# KiCad board Panel2.kicad_pcb (continued)
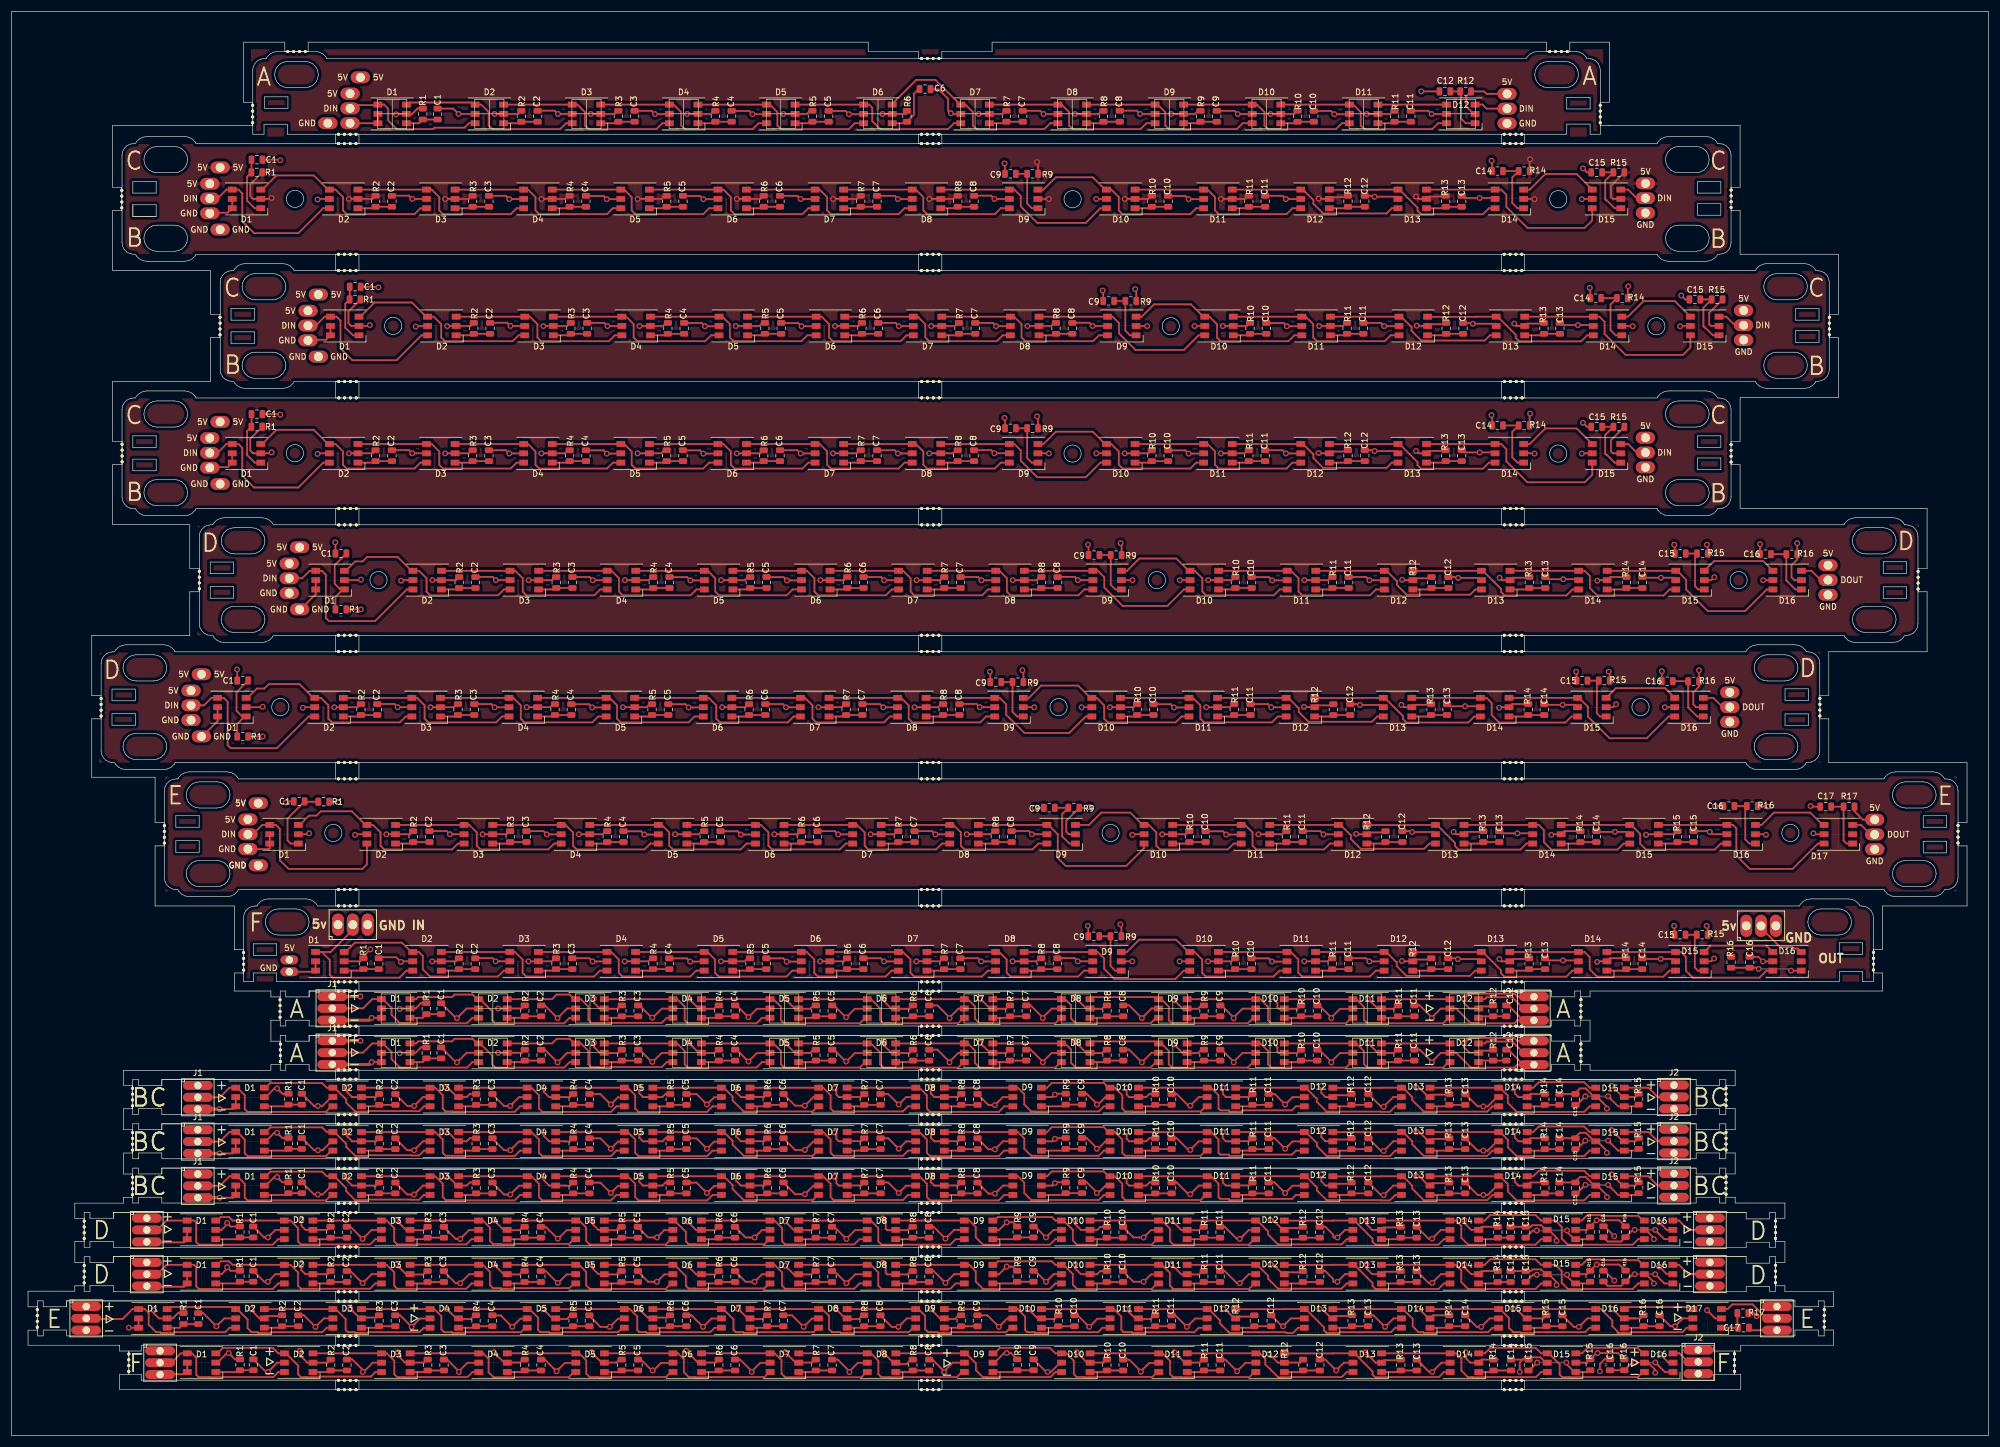
[diagram p0: board, top side]
## Placement (name value [footprint] x y rotation side) (continued)
D5#3  WS2813  [LED_WS2812_PLCC6_5.0x5.0mm_P1.6mm]  121.29 146.81 180 top
D5#4  WS2813  [LED_WS2812_PLCC6_5.0x5.0mm_P1.6mm]  121.25 81.37 180 top
D5#5  WS2813  [LED_WS2812_PLCC6_5.0x5.0mm_P1.6mm]  113.4 103.19 180 top
D5#6  WS2813  [LED_WS2812_PLCC6_5.0x5.0mm_P1.6mm]  131.95 226.84 180 top
D5#7  WS2813  [LED_WS2812_PLCC6_5.0x5.0mm_P1.6mm]  106.96 168.58 180 top
D5#8  WS2813  [LED_WS2812_PLCC6_5.0x5.0mm_P1.6mm]  123.81 190.44 180 top
D5#9  WS2813  [LED_WS2812_PLCC6_5.0x5.0mm_P1.6mm]  132.56 65.67 180 top
D5#10  WS2813  [LED_WS2812_PLCC6_5.0x5.0mm_P1.6mm]  132.56 73.27 180 top
D5#11  WS2813  [LED_WS2812_PLCC6_5.0x5.0mm_P1.6mm]  107.56 42.88 180 top
D5#12  WS2813  [LED_WS2812_PLCC6_5.0x5.0mm_P1.6mm]  107.56 50.48 180 top
D5#13  WS2813  [LED_WS2812_PLCC6_5.0x5.0mm_P1.6mm]  107.56 58.08 180 top
D5#14  WS2813  [LED_WS2812_PLCC6_5.0x5.0mm_P1.6mm]  99.23 27.67 180 top
D5#15  WS2813  [LED_WS2812_PLCC6_5.0x5.0mm_P1.6mm]  99.23 35.28 180 top
D5#16  WS2813  [LED_WS2812_PLCC6_5.0x5.0mm_P1.6mm]  90.89 20.07 180 top
D5#17  WS2813  [LED_WS2812_PLCC6_5.0x5.0mm_P1.6mm]  99.25 12.48 180 top
D6  WS2813  [LED_WS2812_PLCC6_5.0x5.0mm_P1.6mm]  123.62 212.25 180 top
D6#2  WS2813  [LED_WS2812_PLCC6_5.0x5.0mm_P1.6mm]  121.11 125 180 top
D6#3  WS2813  [LED_WS2812_PLCC6_5.0x5.0mm_P1.6mm]  137.96 146.81 180 top
D6#4  WS2813  [LED_WS2812_PLCC6_5.0x5.0mm_P1.6mm]  137.92 81.37 180 top
D6#5  WS2813  [LED_WS2812_PLCC6_5.0x5.0mm_P1.6mm]  130.06 103.19 180 top
D6#6  WS2813  [LED_WS2812_PLCC6_5.0x5.0mm_P1.6mm]  148.62 226.84 180 top
D6#7  WS2813  [LED_WS2812_PLCC6_5.0x5.0mm_P1.6mm]  123.62 168.58 180 top
D6#8  WS2813  [LED_WS2812_PLCC6_5.0x5.0mm_P1.6mm]  140.47 190.44 180 top
D6#9  WS2813  [LED_WS2812_PLCC6_5.0x5.0mm_P1.6mm]  149.22 65.67 180 top
D6#10  WS2813  [LED_WS2812_PLCC6_5.0x5.0mm_P1.6mm]  149.22 73.27 180 top
D6#11  WS2813  [LED_WS2812_PLCC6_5.0x5.0mm_P1.6mm]  124.22 42.88 180 top
D6#12  WS2813  [LED_WS2812_PLCC6_5.0x5.0mm_P1.6mm]  124.22 50.48 180 top
D6#13  WS2813  [LED_WS2812_PLCC6_5.0x5.0mm_P1.6mm]  124.22 58.08 180 top
D6#14  WS2813  [LED_WS2812_PLCC6_5.0x5.0mm_P1.6mm]  115.89 27.67 180 top
D6#15  WS2813  [LED_WS2812_PLCC6_5.0x5.0mm_P1.6mm]  115.89 35.28 180 top
D6#16  WS2813  [LED_WS2812_PLCC6_5.0x5.0mm_P1.6mm]  107.56 20.07 180 top
D6#17  WS2813  [LED_WS2812_PLCC6_5.0x5.0mm_P1.6mm]  115.91 12.48 180 top
D7  WS2813  [LED_WS2812_PLCC6_5.0x5.0mm_P1.6mm]  140.29 212.25 180 top
D7#2  WS2813  [LED_WS2812_PLCC6_5.0x5.0mm_P1.6mm]  137.77 125 180 top
D7#3  WS2813  [LED_WS2812_PLCC6_5.0x5.0mm_P1.6mm]  154.62 146.81 180 top
D7#4  WS2813  [LED_WS2812_PLCC6_5.0x5.0mm_P1.6mm]  154.59 81.37 180 top
D7#5  WS2813  [LED_WS2812_PLCC6_5.0x5.0mm_P1.6mm]  146.73 103.19 180 top
D7#6  WS2813  [LED_WS2812_PLCC6_5.0x5.0mm_P1.6mm]  165.29 226.84 180 top
D7#7  WS2813  [LED_WS2812_PLCC6_5.0x5.0mm_P1.6mm]  140.29 168.58 180 top
D7#8  WS2813  [LED_WS2812_PLCC6_5.0x5.0mm_P1.6mm]  157.14 190.44 180 top
D7#9  WS2813  [LED_WS2812_PLCC6_5.0x5.0mm_P1.6mm]  165.89 65.67 180 top
D7#10  WS2813  [LED_WS2812_PLCC6_5.0x5.0mm_P1.6mm]  165.89 73.27 180 top
D7#11  WS2813  [LED_WS2812_PLCC6_5.0x5.0mm_P1.6mm]  140.89 42.88 180 top
D7#12  WS2813  [LED_WS2812_PLCC6_5.0x5.0mm_P1.6mm]  140.89 50.48 180 top
D7#13  WS2813  [LED_WS2812_PLCC6_5.0x5.0mm_P1.6mm]  140.89 58.08 180 top
D7#14  WS2813  [LED_WS2812_PLCC6_5.0x5.0mm_P1.6mm]  132.56 27.67 180 top
D7#15  WS2813  [LED_WS2812_PLCC6_5.0x5.0mm_P1.6mm]  132.56 35.28 180 top
D7#16  WS2813  [LED_WS2812_PLCC6_5.0x5.0mm_P1.6mm]  124.22 20.07 180 top
D7#17  WS2813  [LED_WS2812_PLCC6_5.0x5.0mm_P1.6mm]  132.58 12.48 180 top
D8  WS2813  [LED_WS2812_PLCC6_5.0x5.0mm_P1.6mm]  156.96 212.25 180 top
D8#2  WS2813  [LED_WS2812_PLCC6_5.0x5.0mm_P1.6mm]  154.44 125 180 top
D8#3  WS2813  [LED_WS2812_PLCC6_5.0x5.0mm_P1.6mm]  171.29 146.81 180 top
D8#4  WS2813  [LED_WS2812_PLCC6_5.0x5.0mm_P1.6mm]  171.25 81.37 180 top
D8#5  WS2813  [LED_WS2812_PLCC6_5.0x5.0mm_P1.6mm]  163.39 103.19 180 top
D8#6  WS2813  [LED_WS2812_PLCC6_5.0x5.0mm_P1.6mm]  181.95 226.84 180 top
D8#7  WS2813  [LED_WS2812_PLCC6_5.0x5.0mm_P1.6mm]  156.96 168.58 180 top
D8#8  WS2813  [LED_WS2812_PLCC6_5.0x5.0mm_P1.6mm]  173.8 190.44 180 top
D8#9  WS2813  [LED_WS2812_PLCC6_5.0x5.0mm_P1.6mm]  182.55 65.67 180 top
D8#10  WS2813  [LED_WS2812_PLCC6_5.0x5.0mm_P1.6mm]  182.55 73.27 180 top
D8#11  WS2813  [LED_WS2812_PLCC6_5.0x5.0mm_P1.6mm]  157.56 42.88 180 top
D8#12  WS2813  [LED_WS2812_PLCC6_5.0x5.0mm_P1.6mm]  157.56 50.48 180 top
D8#13  WS2813  [LED_WS2812_PLCC6_5.0x5.0mm_P1.6mm]  157.56 58.08 180 top
D8#14  WS2813  [LED_WS2812_PLCC6_5.0x5.0mm_P1.6mm]  149.22 27.67 180 top
D8#15  WS2813  [LED_WS2812_PLCC6_5.0x5.0mm_P1.6mm]  149.22 35.28 180 top
D8#16  WS2813  [LED_WS2812_PLCC6_5.0x5.0mm_P1.6mm]  140.89 20.07 180 top
D8#17  WS2813  [LED_WS2812_PLCC6_5.0x5.0mm_P1.6mm]  149.24 12.48 180 top
D9  WS2813  [LED_WS2812_PLCC6_5.0x5.0mm_P1.6mm]  173.62 212.25 180 top
D9#2  WS2813  [LED_WS2812_PLCC6_5.0x5.0mm_P1.6mm]  171.11 125 180 top
D9#3  WS2813  [LED_WS2812_PLCC6_5.0x5.0mm_P1.6mm]  187.95 146.81 180 top
D9#4  WS2813  [LED_WS2812_PLCC6_5.0x5.0mm_P1.6mm]  187.92 81.37 180 top
D9#5  WS2813  [LED_WS2812_PLCC6_5.0x5.0mm_P1.6mm]  180.06 103.19 180 top
D9#6  WS2813  [LED_WS2812_PLCC6_5.0x5.0mm_P1.6mm]  198.62 226.84 180 top
D9#7  WS2813  [LED_WS2812_PLCC6_5.0x5.0mm_P1.6mm]  173.62 168.58 180 top
D9#8  WS2813  [LED_WS2812_PLCC6_5.0x5.0mm_P1.6mm]  190.47 190.44 180 top
D9#9  WS2813  [LED_WS2812_PLCC6_5.0x5.0mm_P1.6mm]  199.22 65.67 180 top
D9#10  WS2813  [LED_WS2812_PLCC6_5.0x5.0mm_P1.6mm]  199.22 73.27 180 top
D9#11  WS2813  [LED_WS2812_PLCC6_5.0x5.0mm_P1.6mm]  174.22 42.88 180 top
D9#12  WS2813  [LED_WS2812_PLCC6_5.0x5.0mm_P1.6mm]  174.22 50.48 180 top
D9#13  WS2813  [LED_WS2812_PLCC6_5.0x5.0mm_P1.6mm]  174.22 58.08 180 top
D9#14  WS2813  [LED_WS2812_PLCC6_5.0x5.0mm_P1.6mm]  165.89 27.67 180 top
D9#15  WS2813  [LED_WS2812_PLCC6_5.0x5.0mm_P1.6mm]  165.89 35.28 180 top
D9#16  WS2813  [LED_WS2812_PLCC6_5.0x5.0mm_P1.6mm]  157.56 20.07 180 top
D9#17  WS2813  [LED_WS2812_PLCC6_5.0x5.0mm_P1.6mm]  165.91 12.48 180 top
D10  WS2813  [LED_WS2812_PLCC6_5.0x5.0mm_P1.6mm]  190.29 212.25 180 top
D10#2  WS2813  [LED_WS2812_PLCC6_5.0x5.0mm_P1.6mm]  187.77 125 180 top
D10#3  WS2813  [LED_WS2812_PLCC6_5.0x5.0mm_P1.6mm]  204.62 146.81 180 top
D10#4  WS2813  [LED_WS2812_PLCC6_5.0x5.0mm_P1.6mm]  204.58 81.37 180 top
D10#5  WS2813  [LED_WS2812_PLCC6_5.0x5.0mm_P1.6mm]  196.73 103.19 180 top
D10#6  WS2813  [LED_WS2812_PLCC6_5.0x5.0mm_P1.6mm]  215.28 226.84 180 top
D10#7  WS2813  [LED_WS2812_PLCC6_5.0x5.0mm_P1.6mm]  190.29 168.58 180 top
D10#8  WS2813  [LED_WS2812_PLCC6_5.0x5.0mm_P1.6mm]  207.13 190.44 180 top
D10#9  WS2813  [LED_WS2812_PLCC6_5.0x5.0mm_P1.6mm]  215.88 65.67 180 top
D10#10  WS2813  [LED_WS2812_PLCC6_5.0x5.0mm_P1.6mm]  215.88 73.27 180 top
D10#11  WS2813  [LED_WS2812_PLCC6_5.0x5.0mm_P1.6mm]  190.89 42.88 180 top
D10#12  WS2813  [LED_WS2812_PLCC6_5.0x5.0mm_P1.6mm]  190.89 50.48 180 top
D10#13  WS2813  [LED_WS2812_PLCC6_5.0x5.0mm_P1.6mm]  190.89 58.08 180 top
D10#14  WS2813  [LED_WS2812_PLCC6_5.0x5.0mm_P1.6mm]  182.56 27.67 180 top
D10#15  WS2813  [LED_WS2812_PLCC6_5.0x5.0mm_P1.6mm]  182.56 35.28 180 top
D10#16  WS2813  [LED_WS2812_PLCC6_5.0x5.0mm_P1.6mm]  174.22 20.07 180 top
D10#17  WS2813  [LED_WS2812_PLCC6_5.0x5.0mm_P1.6mm]  182.58 12.48 180 top
D11  WS2813  [LED_WS2812_PLCC6_5.0x5.0mm_P1.6mm]  206.95 212.25 180 top
D11#2  WS2813  [LED_WS2812_PLCC6_5.0x5.0mm_P1.6mm]  204.44 125 180 top
D11#3  WS2813  [LED_WS2812_PLCC6_5.0x5.0mm_P1.6mm]  221.29 146.81 180 top
D11#4  WS2813  [LED_WS2812_PLCC6_5.0x5.0mm_P1.6mm]  221.25 81.37 180 top
D11#5  WS2813  [LED_WS2812_PLCC6_5.0x5.0mm_P1.6mm]  213.39 103.19 180 top
D11#6  WS2813  [LED_WS2812_PLCC6_5.0x5.0mm_P1.6mm]  231.95 226.84 180 top
D11#7  WS2813  [LED_WS2812_PLCC6_5.0x5.0mm_P1.6mm]  206.95 168.58 180 top
D11#8  WS2813  [LED_WS2812_PLCC6_5.0x5.0mm_P1.6mm]  223.8 190.44 180 top
D11#9  WS2813  [LED_WS2812_PLCC6_5.0x5.0mm_P1.6mm]  232.55 65.67 180 top
D11#10  WS2813  [LED_WS2812_PLCC6_5.0x5.0mm_P1.6mm]  232.55 73.27 180 top
D11#11  WS2813  [LED_WS2812_PLCC6_5.0x5.0mm_P1.6mm]  207.55 42.88 180 top
D11#12  WS2813  [LED_WS2812_PLCC6_5.0x5.0mm_P1.6mm]  207.55 50.48 180 top
D11#13  WS2813  [LED_WS2812_PLCC6_5.0x5.0mm_P1.6mm]  207.55 58.08 180 top
D11#14  WS2813  [LED_WS2812_PLCC6_5.0x5.0mm_P1.6mm]  199.22 27.67 180 top
D11#15  WS2813  [LED_WS2812_PLCC6_5.0x5.0mm_P1.6mm]  199.22 35.28 180 top
D11#16  WS2813  [LED_WS2812_PLCC6_5.0x5.0mm_P1.6mm]  190.89 20.07 180 top
D11#17  WS2813  [LED_WS2812_PLCC6_5.0x5.0mm_P1.6mm]  199.24 12.48 180 top
D12  WS2813  [LED_WS2812_PLCC6_5.0x5.0mm_P1.6mm]  223.62 212.25 180 top
D12#2  WS2813  [LED_WS2812_PLCC6_5.0x5.0mm_P1.6mm]  221.1 125 180 top
D12#3  WS2813  [LED_WS2812_PLCC6_5.0x5.0mm_P1.6mm]  237.95 146.81 180 top
D12#4  WS2813  [LED_WS2812_PLCC6_5.0x5.0mm_P1.6mm]  237.92 81.37 180 top
D12#5  WS2813  [LED_WS2812_PLCC6_5.0x5.0mm_P1.6mm]  230.06 103.19 180 top
D12#6  WS2813  [LED_WS2812_PLCC6_5.0x5.0mm_P1.6mm]  248.62 226.84 180 top
D12#7  WS2813  [LED_WS2812_PLCC6_5.0x5.0mm_P1.6mm]  223.62 168.58 180 top
D12#8  WS2813  [LED_WS2812_PLCC6_5.0x5.0mm_P1.6mm]  240.47 190.44 180 top
D12#9  WS2813  [LED_WS2812_PLCC6_5.0x5.0mm_P1.6mm]  249.22 65.67 180 top
D12#10  WS2813  [LED_WS2812_PLCC6_5.0x5.0mm_P1.6mm]  249.22 73.27 180 top
D12#11  WS2813  [LED_WS2812_PLCC6_5.0x5.0mm_P1.6mm]  224.22 42.88 180 top
D12#12  WS2813  [LED_WS2812_PLCC6_5.0x5.0mm_P1.6mm]  224.22 50.48 180 top
D12#13  WS2813  [LED_WS2812_PLCC6_5.0x5.0mm_P1.6mm]  224.22 58.08 180 top
D12#14  WS2813  [LED_WS2812_PLCC6_5.0x5.0mm_P1.6mm]  215.89 27.67 180 top
D12#15  WS2813  [LED_WS2812_PLCC6_5.0x5.0mm_P1.6mm]  215.89 35.28 180 top
D12#16  WS2813  [LED_WS2812_PLCC6_5.0x5.0mm_P1.6mm]  207.55 20.07 180 top
D12#17  WS2813  [LED_WS2812_PLCC6_5.0x5.0mm_P1.6mm]  215.91 12.48 180 top
D13  WS2813  [LED_WS2812_PLCC6_5.0x5.0mm_P1.6mm]  240.29 212.25 180 top
D13#2  WS2813  [LED_WS2812_PLCC6_5.0x5.0mm_P1.6mm]  237.77 125 180 top
D13#3  WS2813  [LED_WS2812_PLCC6_5.0x5.0mm_P1.6mm]  254.62 146.81 180 top
D13#4  WS2813  [LED_WS2812_PLCC6_5.0x5.0mm_P1.6mm]  254.58 81.37 180 top
D13#5  WS2813  [LED_WS2812_PLCC6_5.0x5.0mm_P1.6mm]  246.72 103.19 180 top
D13#6  WS2813  [LED_WS2812_PLCC6_5.0x5.0mm_P1.6mm]  240.29 168.58 180 top
D13#7  WS2813  [LED_WS2812_PLCC6_5.0x5.0mm_P1.6mm]  257.13 190.44 180 top
D13#8  WS2813  [LED_WS2812_PLCC6_5.0x5.0mm_P1.6mm]  240.89 42.88 180 top
D13#9  WS2813  [LED_WS2812_PLCC6_5.0x5.0mm_P1.6mm]  240.89 50.48 180 top
D13#10  WS2813  [LED_WS2812_PLCC6_5.0x5.0mm_P1.6mm]  240.89 58.08 180 top
D13#11  WS2813  [LED_WS2812_PLCC6_5.0x5.0mm_P1.6mm]  232.55 27.67 180 top
D13#12  WS2813  [LED_WS2812_PLCC6_5.0x5.0mm_P1.6mm]  232.55 35.28 180 top
D13#13  WS2813  [LED_WS2812_PLCC6_5.0x5.0mm_P1.6mm]  224.22 20.07 180 top
D13#14  WS2813  [LED_WS2812_PLCC6_5.0x5.0mm_P1.6mm]  232.57 12.48 180 top
D14  WS2813  [LED_WS2812_PLCC6_5.0x5.0mm_P1.6mm]  256.95 212.25 180 top
D14#2  WS2813  [LED_WS2812_PLCC6_5.0x5.0mm_P1.6mm]  254.44 125 180 top
D14#3  WS2813  [LED_WS2812_PLCC6_5.0x5.0mm_P1.6mm]  271.28 146.81 180 top
D14#4  WS2813  [LED_WS2812_PLCC6_5.0x5.0mm_P1.6mm]  271.25 81.37 180 top
D14#5  WS2813  [LED_WS2812_PLCC6_5.0x5.0mm_P1.6mm]  263.39 103.19 180 top
D14#6  WS2813  [LED_WS2812_PLCC6_5.0x5.0mm_P1.6mm]  256.95 168.58 180 top
D14#7  WS2813  [LED_WS2812_PLCC6_5.0x5.0mm_P1.6mm]  273.8 190.44 180 top
D14#8  WS2813  [LED_WS2812_PLCC6_5.0x5.0mm_P1.6mm]  257.55 42.88 180 top
D14#9  WS2813  [LED_WS2812_PLCC6_5.0x5.0mm_P1.6mm]  257.55 50.48 180 top
D14#10  WS2813  [LED_WS2812_PLCC6_5.0x5.0mm_P1.6mm]  257.55 58.08 180 top
D14#11  WS2813  [LED_WS2812_PLCC6_5.0x5.0mm_P1.6mm]  249.22 27.67 180 top
D14#12  WS2813  [LED_WS2812_PLCC6_5.0x5.0mm_P1.6mm]  249.22 35.28 180 top
D14#13  WS2813  [LED_WS2812_PLCC6_5.0x5.0mm_P1.6mm]  240.89 20.07 180 top
D14#14  WS2813  [LED_WS2812_PLCC6_5.0x5.0mm_P1.6mm]  249.24 12.48 180 top
D15  WS2813  [LED_WS2812_PLCC6_5.0x5.0mm_P1.6mm]  273.62 212.25 180 top
D15#2  WS2813  [LED_WS2812_PLCC6_5.0x5.0mm_P1.6mm]  271.1 125 180 top
D15#3  WS2813  [LED_WS2812_PLCC6_5.0x5.0mm_P1.6mm]  287.95 146.81 180 top
D15#4  WS2813  [LED_WS2812_PLCC6_5.0x5.0mm_P1.6mm]  287.92 81.37 180 top
D15#5  WS2813  [LED_WS2812_PLCC6_5.0x5.0mm_P1.6mm]  280.06 103.19 180 top
D15#6  WS2813  [LED_WS2812_PLCC6_5.0x5.0mm_P1.6mm]  273.62 168.58 180 top
D15#7  WS2813  [LED_WS2812_PLCC6_5.0x5.0mm_P1.6mm]  290.47 190.44 180 top
D15#8  WS2813  [LED_WS2812_PLCC6_5.0x5.0mm_P1.6mm]  274.22 42.88 180 top
D15#9  WS2813  [LED_WS2812_PLCC6_5.0x5.0mm_P1.6mm]  274.22 50.48 180 top
D15#10  WS2813  [LED_WS2812_PLCC6_5.0x5.0mm_P1.6mm]  274.22 58.08 180 top
D15#11  WS2813  [LED_WS2812_PLCC6_5.0x5.0mm_P1.6mm]  265.89 27.67 180 top
D15#12  WS2813  [LED_WS2812_PLCC6_5.0x5.0mm_P1.6mm]  265.89 35.28 180 top
D15#13  WS2813  [LED_WS2812_PLCC6_5.0x5.0mm_P1.6mm]  257.55 20.07 180 top
D15#14  WS2813  [LED_WS2812_PLCC6_5.0x5.0mm_P1.6mm]  265.91 12.48 180 top
D16  WS2813  [LED_WS2812_PLCC6_5.0x5.0mm_P1.6mm]  287.77 125 180 top
D16#2  WS2813  [LED_WS2812_PLCC6_5.0x5.0mm_P1.6mm]  304.62 146.81 180 top
D16#3  WS2813  [LED_WS2812_PLCC6_5.0x5.0mm_P1.6mm]  304.58 81.37 180 top
D16#4  WS2813  [LED_WS2812_PLCC6_5.0x5.0mm_P1.6mm]  296.72 103.19 180 top
D16#5  WS2813  [LED_WS2812_PLCC6_5.0x5.0mm_P1.6mm]  282.55 27.67 180 top
D16#6  WS2813  [LED_WS2812_PLCC6_5.0x5.0mm_P1.6mm]  282.55 35.28 180 top
D16#7  WS2813  [LED_WS2812_PLCC6_5.0x5.0mm_P1.6mm]  274.22 20.07 180 top
D16#8  WS2813  [LED_WS2812_PLCC6_5.0x5.0mm_P1.6mm]  282.57 12.48 180 top
D17  WS2813  [LED_WS2812_PLCC6_5.0x5.0mm_P1.6mm]  313.39 103.19 180 top
D17#2  WS2813  [LED_WS2812_PLCC6_5.0x5.0mm_P1.6mm]  290.89 20.07 180 top
J1  IN  [1x3_18awgWireSolderPad-InsideStrut]  30.77 125.31 0 top
J1#2  IN  [1x3_18awgWireSolderPad-InsideStrut]  47.62 147.12 0 top
J1#3  IN  [1x3_18awgWireSolderPad]  55.99 87.66 90 top
J1#4  IN  [1x3_18awgWireSolderPad-InsideStrut]  40.53 103.18 0 top
J1#5  A_IN  [1x3_18awgWireSolderPad-InsideStrut-IN-Edge]  58.05 227.79 0 top
J1#6  IN  [1x3_18awgWireSolderPad-InsideStrut]  33.99 168.65 0 top
J1#7  IN  [1x3_18awgWireSolderPad-InsideStrut]  50.84 190.51 0 top
J1#8  A_IN  [1x3_18awgWireSolderPad-5mm]  55.01 67.73 0 top
J1#9  A_IN  [1x3_18awgWireSolderPad-5mm]  55.01 75.33 0 top
J1#10  IN  [1x3_18awgWireSolderPad-5mm]  31.94 44.86 0 top
J1#11  IN  [1x3_18awgWireSolderPad-5mm]  31.94 52.46 0 top
J1#12  IN  [1x3_18awgWireSolderPad-5mm]  31.94 60.06 0 top
J1#13  IN  [1x3_18awgWireSolderPad-5mm]  23.18 29.69 0 top
J1#14  IN  [1x3_18awgWireSolderPad-5mm]  23.18 37.29 0 top
J1#15  IN  [1x3_18awgWireSolderPad-5mm]  12.79 22.11 0 top
J1#16  IN  [1x3_18awgWireSolderPad-5mm]  25.47 14.5 0 top
J1#17  IN  [1x3_18awgWireSolderPad-InsideStrut]  33.99 212.32 0 top
J2  OUT  [1x3_18awgWireSolderPad-InsideStrut-OUT]  294.77 125.01 0 top
J2#2  OUT  [1x3_18awgWireSolderPad-InsideStrut-OUT]  311.62 146.82 0 top
J2#3  OUT  [1x3_18awgWireSolderPad]  297.59 87.46 90 top
J2#4  OUT  [1x3_18awgWireSolderPad-InsideStrut-OUT]  319.63 103.15 0 top
J2#5  A_OUT  [1x3_18awgWireSolderPad-InsideStrut-OUT-Edge]  256.55 227.75 0 top
J2#6  OUT  [1x3_18awgWireSolderPad-InsideStrut-OUT]  280.29 168.71 0 top
J2#7  OUT  [1x3_18awgWireSolderPad-InsideStrut-OUT]  297.14 190.57 0 top
J2#8  A_OUT  [1x3_18awgWireSolderPad-5mm]  261.16 67.71 0 top
J2#9  A_OUT  [1x3_18awgWireSolderPad-5mm]  261.16 75.31 0 top
J2#10  OUT  [1x3_18awgWireSolderPad-5mm]  285.19 44.93 0 top
J2#11  OUT  [1x3_18awgWireSolderPad-5mm]  285.19 52.53 0 top
J2#12  OUT  [1x3_18awgWireSolderPad-5mm]  285.19 60.13 0 top
J2#13  OUT  [1x3_18awgWireSolderPad-5mm]  291.36 29.7 0 top
J2#14  OUT  [1x3_18awgWireSolderPad-5mm]  291.36 37.3 0 top
J2#15  OUT  [1x3_18awgWireSolderPad-5mm]  302.86 22.11 0 top
J2#16  OUT  [1x3_18awgWireSolderPad-5mm]  289.37 14.65 0 top
J2#17  OUT  [1x3_18awgWireSolderPad-InsideStrut-OUT]  280.29 212.38 0 top
J3  Conn_01x02_Female  [1x3_18awgWireSolderPad-InsideStrut-PWR]  47.64 79.07 0 top
R1  330  [R_0805_2012Metric]  42.07 216.8 180 top
R1#2  330  [R_0805_2012Metric]  39.64 119.97 180 top
R1#3  330  [R_0805_2012Metric]  56.48 141.78 180 top
R1#4  330  [R_0805_2012Metric]  60.34 80.96 270 top
R1#5  330  [R_0805_2012Metric]  53.53 108.76 180 top
R1#6  330  [R_0805_2012Metric]  70.54 226.81 270 top
R1#7  330  [R_0805_2012Metric]  42.07 173.14 180 top
R1#8  330  [R_0805_2012Metric]  58.91 194.99 180 top
R1#9  330  [R_0805_2012Metric]  71.14 65.65 270 top
R1#10  330  [R_0805_2012Metric]  71.14 73.25 270 top
R1#11  330  [R_0805_2012Metric]  47.49 42.51 270 top
R1#12  330  [R_0805_2012Metric]  47.49 50.11 270 top
R1#13  330  [R_0805_2012Metric]  47.49 57.71 270 top
R1#14  330  [R_0805_2012Metric]  39.16 27.31 270 top
R1#15  330  [R_0805_2012Metric]  39.16 34.91 270 top
R1#16  330  [R_0805_2012Metric]  29.48 20.05 270 top
R1#17  330  [R_0805_2012Metric]  39.18 12.11 270 top
R2  330  [R_0805_2012Metric]  62.44 211.84 270 top
R2#2  330  [R_0805_2012Metric]  59.93 124.59 270 top
R2#3  330  [R_0805_2012Metric]  76.77 146.41 270 top
R2#4  330  [R_0805_2012Metric]  76.74 80.97 270 top
R2#5  330  [R_0805_2012Metric]  68.88 102.78 270 top
R2#6  330  [R_0805_2012Metric]  87.44 226.43 270 top
R2#7  330  [R_0805_2012Metric]  62.44 168.17 270 top
R2#8  330  [R_0805_2012Metric]  79.29 190.03 270 top
R2#9  330  [R_0805_2012Metric]  88.04 65.27 270 top
R2#10  330  [R_0805_2012Metric]  88.04 72.87 270 top
R2#11  330  [R_0805_2012Metric]  63.04 42.47 270 top
R2#12  330  [R_0805_2012Metric]  63.04 50.07 270 top
R2#13  330  [R_0805_2012Metric]  63.04 57.67 270 top
R2#14  330  [R_0805_2012Metric]  54.71 27.27 270 top
R2#15  330  [R_0805_2012Metric]  54.71 34.87 270 top
R2#16  330  [R_0805_2012Metric]  46.38 19.67 270 top
R2#17  330  [R_0805_2012Metric]  54.73 12.07 270 top
R3  330  [R_0805_2012Metric]  79.09 211.84 270 top
R3#2  330  [R_0805_2012Metric]  76.57 124.59 270 top
R3#3  330  [R_0805_2012Metric]  93.42 146.41 270 top
R3#4  330  [R_0805_2012Metric]  93.39 80.97 270 top
R3#5  330  [R_0805_2012Metric]  85.53 102.78 270 top
R3#6  330  [R_0805_2012Metric]  104.08 226.43 270 top
R3#7  330  [R_0805_2012Metric]  79.09 168.17 270 top
R3#8  330  [R_0805_2012Metric]  95.94 190.03 270 top
R3#9  330  [R_0805_2012Metric]  104.69 65.27 270 top
R3#10  330  [R_0805_2012Metric]  104.69 72.87 270 top
R3#11  330  [R_0805_2012Metric]  79.69 42.47 270 top
R3#12  330  [R_0805_2012Metric]  79.69 50.07 270 top
R3#13  330  [R_0805_2012Metric]  79.69 57.67 270 top
R3#14  330  [R_0805_2012Metric]  71.36 27.27 270 top
R3#15  330  [R_0805_2012Metric]  71.36 34.87 270 top
R3#16  330  [R_0805_2012Metric]  63.02 19.67 270 top
R3#17  330  [R_0805_2012Metric]  71.38 12.07 270 top
R4  330  [R_0805_2012Metric]  95.74 211.84 270 top
R4#2  330  [R_0805_2012Metric]  93.22 124.59 270 top
R4#3  330  [R_0805_2012Metric]  110.07 146.41 270 top
R4#4  330  [R_0805_2012Metric]  110.03 80.97 270 top
R4#5  330  [R_0805_2012Metric]  102.17 102.78 270 top
R4#6  330  [R_0805_2012Metric]  120.73 226.43 270 top
R4#7  330  [R_0805_2012Metric]  95.74 168.17 270 top
R4#8  330  [R_0805_2012Metric]  112.58 190.03 270 top
R4#9  330  [R_0805_2012Metric]  121.33 65.27 270 top
R4#10  330  [R_0805_2012Metric]  121.33 72.87 270 top
R4#11  330  [R_0805_2012Metric]  96.34 42.47 270 top
R4#12  330  [R_0805_2012Metric]  96.34 50.07 270 top
R4#13  330  [R_0805_2012Metric]  96.34 57.67 270 top
R4#14  330  [R_0805_2012Metric]  88 27.27 270 top
R4#15  330  [R_0805_2012Metric]  88 34.87 270 top
R4#16  330  [R_0805_2012Metric]  79.67 19.67 270 top
R4#17  330  [R_0805_2012Metric]  88.02 12.07 270 top
R5  330  [R_0805_2012Metric]  112.38 211.84 270 top
R5#2  330  [R_0805_2012Metric]  109.87 124.59 270 top
R5#3  330  [R_0805_2012Metric]  126.71 146.41 270 top
R5#4  330  [R_0805_2012Metric]  126.68 80.97 270 top
R5#5  330  [R_0805_2012Metric]  118.82 102.78 270 top
R5#6  330  [R_0805_2012Metric]  137.38 226.43 270 top
R5#7  330  [R_0805_2012Metric]  112.38 168.17 270 top
R5#8  330  [R_0805_2012Metric]  129.23 190.03 270 top
R5#9  330  [R_0805_2012Metric]  137.98 65.27 270 top
R5#10  330  [R_0805_2012Metric]  137.98 72.87 270 top
R5#11  330  [R_0805_2012Metric]  112.98 42.47 270 top
R5#12  330  [R_0805_2012Metric]  112.98 50.07 270 top
R5#13  330  [R_0805_2012Metric]  112.98 57.67 270 top
R5#14  330  [R_0805_2012Metric]  104.65 27.27 270 top
R5#15  330  [R_0805_2012Metric]  104.65 34.87 270 top
R5#16  330  [R_0805_2012Metric]  96.32 19.67 270 top
R5#17  330  [R_0805_2012Metric]  104.67 12.07 270 top
R6  330  [R_0805_2012Metric]  129.03 211.84 270 top
R6#2  330  [R_0805_2012Metric]  126.51 124.59 270 top
R6#3  330  [R_0805_2012Metric]  143.36 146.41 270 top
R6#4  330  [R_0805_2012Metric]  143.32 80.97 270 top
R6#5  330  [R_0805_2012Metric]  135.47 102.78 270 top
R6#6  330  [R_0805_2012Metric]  153.6 226.43 270 top
R6#7  330  [R_0805_2012Metric]  129.03 168.17 270 top
R6#8  330  [R_0805_2012Metric]  145.87 190.03 270 top
R6#9  330  [R_0805_2012Metric]  154.62 65.27 270 top
R6#10  330  [R_0805_2012Metric]  154.62 72.87 270 top
R6#11  330  [R_0805_2012Metric]  129.63 42.47 270 top
R6#12  330  [R_0805_2012Metric]  129.63 50.07 270 top
R6#13  330  [R_0805_2012Metric]  129.63 57.67 270 top
R6#14  330  [R_0805_2012Metric]  121.3 27.27 270 top
R6#15  330  [R_0805_2012Metric]  121.3 34.87 270 top
R6#16  330  [R_0805_2012Metric]  112.96 19.67 270 top
R6#17  330  [R_0805_2012Metric]  121.32 12.07 270 top
R7  330  [R_0805_2012Metric]  145.67 211.84 270 top
R7#2  330  [R_0805_2012Metric]  143.16 124.59 270 top
R7#3  330  [R_0805_2012Metric]  160.01 146.41 270 top
R7#4  330  [R_0805_2012Metric]  159.97 80.97 270 top
R7#5  330  [R_0805_2012Metric]  152.11 102.78 270 top
R7#6  330  [R_0805_2012Metric]  170.67 226.43 270 top
R7#7  330  [R_0805_2012Metric]  145.67 168.17 270 top
R7#8  330  [R_0805_2012Metric]  162.52 190.03 270 top
R7#9  330  [R_0805_2012Metric]  171.27 65.27 270 top
R7#10  330  [R_0805_2012Metric]  171.27 72.87 270 top
R7#11  330  [R_0805_2012Metric]  146.27 42.47 270 top
R7#12  330  [R_0805_2012Metric]  146.27 50.07 270 top
R7#13  330  [R_0805_2012Metric]  146.27 57.67 270 top
R7#14  330  [R_0805_2012Metric]  137.94 27.27 270 top
R7#15  330  [R_0805_2012Metric]  137.94 34.87 270 top
R7#16  330  [R_0805_2012Metric]  129.61 19.67 270 top
R7#17  330  [R_0805_2012Metric]  137.96 12.07 270 top
R8  330  [R_0805_2012Metric]  162.32 211.84 270 top
R8#2  330  [R_0805_2012Metric]  159.8 124.59 270 top
R8#3  330  [R_0805_2012Metric]  176.65 146.41 270 top
R8#4  330  [R_0805_2012Metric]  176.62 80.97 270 top
R8#5  330  [R_0805_2012Metric]  168.76 102.78 270 top
R8#6  330  [R_0805_2012Metric]  187.32 226.43 270 top
R8#7  330  [R_0805_2012Metric]  162.32 168.17 270 top
R8#8  330  [R_0805_2012Metric]  179.17 190.03 270 top
R8#9  330  [R_0805_2012Metric]  187.92 65.27 270 top
R8#10  330  [R_0805_2012Metric]  187.92 72.87 270 top
R8#11  330  [R_0805_2012Metric]  162.92 42.47 270 top
R8#12  330  [R_0805_2012Metric]  162.92 50.07 270 top
R8#13  330  [R_0805_2012Metric]  162.92 57.67 270 top
R8#14  330  [R_0805_2012Metric]  154.59 27.27 270 top
R8#15  330  [R_0805_2012Metric]  154.59 34.87 270 top
R8#16  330  [R_0805_2012Metric]  146.25 19.67 270 top
R8#17  330  [R_0805_2012Metric]  154.61 12.07 270 top
R9  330  [R_0805_2012Metric]  175.16 216.55 180 top
R9#2  330  [R_0805_2012Metric]  172.65 129.3 180 top
R9#3  330  [R_0805_2012Metric]  189.49 151.11 180 top
R9#4  330  [R_0805_2012Metric]  189.46 85.68 180 top
R9#5  330  [R_0805_2012Metric]  182.23 107.72 180 top
R9#6  330  [R_0805_2012Metric]  203.96 226.43 270 top
R9#7  330  [R_0805_2012Metric]  175.16 172.88 180 top
R9#8  330  [R_0805_2012Metric]  192.01 194.74 180 top
R9#9  330  [R_0805_2012Metric]  204.56 65.27 270 top
R9#10  330  [R_0805_2012Metric]  204.56 72.87 270 top
R9#11  330  [R_0805_2012Metric]  180.84 42.51 270 top
R9#12  330  [R_0805_2012Metric]  180.84 50.11 270 top
R9#13  330  [R_0805_2012Metric]  180.84 57.71 270 top
R9#14  330  [R_0805_2012Metric]  172.51 27.31 270 top
R9#15  330  [R_0805_2012Metric]  172.51 34.91 270 top
R9#16  330  [R_0805_2012Metric]  162.9 19.67 270 top
R9#17  330  [R_0805_2012Metric]  172.53 12.11 270 top
R10  330  [R_0805_2012Metric]  195.61 211.84 270 top
R10#2  330  [R_0805_2012Metric]  193.1 124.59 270 top
R10#3  330  [R_0805_2012Metric]  209.94 146.41 270 top
R10#4  330  [R_0805_2012Metric]  209.91 80.97 270 top
R10#5  330  [R_0805_2012Metric]  202.05 102.78 270 top
R10#6  330  [R_0805_2012Metric]  220.61 226.43 270 top
R10#7  330  [R_0805_2012Metric]  195.61 168.17 270 top
R10#8  330  [R_0805_2012Metric]  212.46 190.03 270 top
R10#9  330  [R_0805_2012Metric]  221.21 65.27 270 top
R10#10  330  [R_0805_2012Metric]  221.21 72.87 270 top
R10#11  330  [R_0805_2012Metric]  196.21 42.47 270 top
R10#12  330  [R_0805_2012Metric]  196.21 50.07 270 top
R10#13  330  [R_0805_2012Metric]  196.21 57.67 270 top
R10#14  330  [R_0805_2012Metric]  187.88 27.27 270 top
R10#15  330  [R_0805_2012Metric]  187.88 34.87 270 top
R10#16  330  [R_0805_2012Metric]  179.55 19.67 270 top
R10#17  330  [R_0805_2012Metric]  187.9 12.07 270 top
R11  330  [R_0805_2012Metric]  212.26 211.84 270 top
R11#2  330  [R_0805_2012Metric]  209.74 124.59 270 top
R11#3  330  [R_0805_2012Metric]  226.59 146.41 270 top
R11#4  330  [R_0805_2012Metric]  226.56 80.97 270 top
R11#5  330  [R_0805_2012Metric]  218.7 102.78 270 top
R11#6  330  [R_0805_2012Metric]  237.25 226.43 270 top
R11#7  330  [R_0805_2012Metric]  212.26 168.17 270 top
R11#8  330  [R_0805_2012Metric]  229.11 190.03 270 top
R11#9  330  [R_0805_2012Metric]  237.86 65.27 270 top
R11#10  330  [R_0805_2012Metric]  237.86 72.87 270 top
R11#11  330  [R_0805_2012Metric]  212.86 42.47 270 top
R11#12  330  [R_0805_2012Metric]  212.86 50.07 270 top
R11#13  330  [R_0805_2012Metric]  212.86 57.67 270 top
R11#14  330  [R_0805_2012Metric]  204.53 27.27 270 top
R11#15  330  [R_0805_2012Metric]  204.53 34.87 270 top
R11#16  330  [R_0805_2012Metric]  196.19 19.67 270 top
R11#17  330  [R_0805_2012Metric]  204.55 12.07 270 top
R12  330  [R_0805_2012Metric]  229.26 211.84 270 top
R12#2  330  [R_0805_2012Metric]  226.75 124.59 270 top
R12#3  330  [R_0805_2012Metric]  243.59 146.41 270 top
R12#4  330  [R_0805_2012Metric]  243.56 80.97 270 top
R12#5  330  [R_0805_2012Metric]  235.7 102.78 270 top
R12#6  330  [R_0805_2012Metric]  249.45 230.7 180 top
R12#7  330  [R_0805_2012Metric]  229.26 168.17 270 top
R12#8  330  [R_0805_2012Metric]  246.11 190.03 270 top
R12#9  330  [R_0805_2012Metric]  254.15 65.27 270 top
R12#10  330  [R_0805_2012Metric]  254.15 72.87 270 top
R12#11  330  [R_0805_2012Metric]  229.86 42.47 270 top
R12#12  330  [R_0805_2012Metric]  229.86 50.07 270 top
R12#13  330  [R_0805_2012Metric]  229.86 57.67 270 top
R12#14  330  [R_0805_2012Metric]  221.53 27.27 270 top
R12#15  330  [R_0805_2012Metric]  221.53 34.87 270 top
R12#16  330  [R_0805_2012Metric]  213.2 19.67 270 top
R12#17  330  [R_0805_2012Metric]  221.55 12.07 270 top
R13  330  [R_0805_2012Metric]  246.03 211.84 270 top
R13#2  330  [R_0805_2012Metric]  243.52 124.59 270 top
R13#3  330  [R_0805_2012Metric]  260.37 146.41 270 top
R13#4  330  [R_0805_2012Metric]  260.33 80.97 270 top
R13#5  330  [R_0805_2012Metric]  252.47 102.78 270 top
R13#6  330  [R_0805_2012Metric]  246.03 168.17 270 top
R13#7  330  [R_0805_2012Metric]  262.88 190.03 270 top
R13#8  330  [R_0805_2012Metric]  246.63 42.47 270 top
R13#9  330  [R_0805_2012Metric]  246.63 50.07 270 top
R13#10  330  [R_0805_2012Metric]  246.63 57.67 270 top
R13#11  330  [R_0805_2012Metric]  238.3 27.27 270 top
R13#12  330  [R_0805_2012Metric]  238.3 34.87 270 top
R13#13  330  [R_0805_2012Metric]  229.97 19.67 270 top
R13#14  330  [R_0805_2012Metric]  238.32 12.07 270 top
R14  330  [R_0805_2012Metric]  259.49 217.03 180 top
R14#2  330  [R_0805_2012Metric]  260.19 124.59 270 top
R14#3  330  [R_0805_2012Metric]  277.03 146.41 270 top
R14#4  330  [R_0805_2012Metric]  277 80.97 270 top
R14#5  330  [R_0805_2012Metric]  269.14 102.78 270 top
R14#6  330  [R_0805_2012Metric]  259.49 173.36 180 top
R14#7  330  [R_0805_2012Metric]  276.33 195.22 180 top
R14#8  330  [R_0805_2012Metric]  263.04 42.47 270 top
R14#9  330  [R_0805_2012Metric]  263.04 50.07 270 top
R14#10  330  [R_0805_2012Metric]  263.04 57.67 270 top
R14#11  330  [R_0805_2012Metric]  254.97 27.27 270 top
R14#12  330  [R_0805_2012Metric]  254.97 34.87 270 top
R14#13  330  [R_0805_2012Metric]  246.64 19.67 270 top
R14#14  330  [R_0805_2012Metric]  254.23 12.07 270 top
R15  330  [R_0805_2012Metric]  275.75 216.8 180 top
R15#2  330  [R_0805_2012Metric]  273.23 129.56 180 top
R15#3  330  [R_0805_2012Metric]  290.08 151.37 180 top
R15#4  330  [R_0805_2012Metric]  290.04 85.93 180 top
R15#5  330  [R_0805_2012Metric]  285.81 102.78 270 top
R15#6  330  [R_0805_2012Metric]  275.75 173.14 180 top
R15#7  330  [R_0805_2012Metric]  292.59 194.99 180 top
R15#8  330  [R_0805_2012Metric]  279.14 42.51 270 top
R15#9  330  [R_0805_2012Metric]  279.14 50.11 270 top
R15#10  330  [R_0805_2012Metric]  279.14 57.71 270 top
R15#11  330  [R_0805_2012Metric]  270.81 27.31 270 top
R15#12  330  [R_0805_2012Metric]  270.81 34.91 270 top
R15#13  330  [R_0805_2012Metric]  263.3 19.67 270 top
R15#14  330  [R_0805_2012Metric]  270.83 12.11 270 top
R16  330  [R_0805_2012Metric]  288.56 129.44 180 top
R16#2  330  [R_0805_2012Metric]  305.41 151.25 180 top
R16#3  330  [R_0805_2012Metric]  294.99 81.21 270 top
R16#4  330  [R_0805_2012Metric]  298.63 108.02 180 top
R16#5  330  [R_0805_2012Metric]  276.88 27.34 270 top
R16#6  330  [R_0805_2012Metric]  276.88 34.95 270 top
R16#7  330  [R_0805_2012Metric]  279.97 19.67 270 top
R16#8  330  [R_0805_2012Metric]  276.67 12.11 270 top
R17  330  [R_0805_2012Metric]  315.23 107.92 180 top
R17#2  330  [R_0805_2012Metric]  297.01 20.97 180 top
REF**  -  [MousebiteTabSingle4mm]  48.88 237.54 0 top
REF**#2  -  [MousebiteTabSingle4mm]  57.58 221.74 0 top
REF**#3  -  [MousebiteTabSingle4mm]  157.58 221.74 0 top
REF**#4  -  [MousebiteTabSingle4mm]  257.58 221.74 0 top
REF**#5  -  [MousebiteTabSingle4mm]  265.38 237.54 0 top
REF**#6  -  [MousebiteTabSingle4mm]  57.58 223.34 0 top
REF**#7  -  [MousebiteTabSingle4mm]  157.58 223.34 0 top
REF**#8  -  [MousebiteTabSingle4mm]  257.58 223.34 0 top
REF**#9  -  [MousebiteTabSingle4mm]  57.58 68.64 0 top
REF**#10  -  [MousebiteTabSingle4mm]  57.58 7.84 0 top
REF**#11  -  [MousebiteTabSingle4mm]  57.58 15.44 0 top
REF**#12  -  [MousebiteTabSingle4mm]  57.58 23.04 0 top
REF**#13  -  [MousebiteTabSingle4mm]  57.58 30.74 0 top
REF**#14  -  [MousebiteTabSingle4mm]  57.58 38.24 0 top
REF**#15  -  [MousebiteTabSingle4mm]  57.58 45.84 0 top
REF**#16  -  [MousebiteTabSingle4mm]  57.58 53.44 0 top
REF**#17  -  [MousebiteTabSingle4mm]  57.58 61.14 0 top
